# Altium PCB GE21_M1_pku_f100.PcbDoc (part 12 of 19)
Units mm, origin at the board's own origin, x right, y up, seen from the top; angles counter-clockwise.
Board outline 423.9 x 668.59 mm, 8 copper layers (Top Layer, Signal 1, DGNG1, POWER, AGND, DGND2, Signal 2, Bottom Layer), stack 1.03 mm thick; 171 components, 336 nets, 2040 pads, 4872 vias.
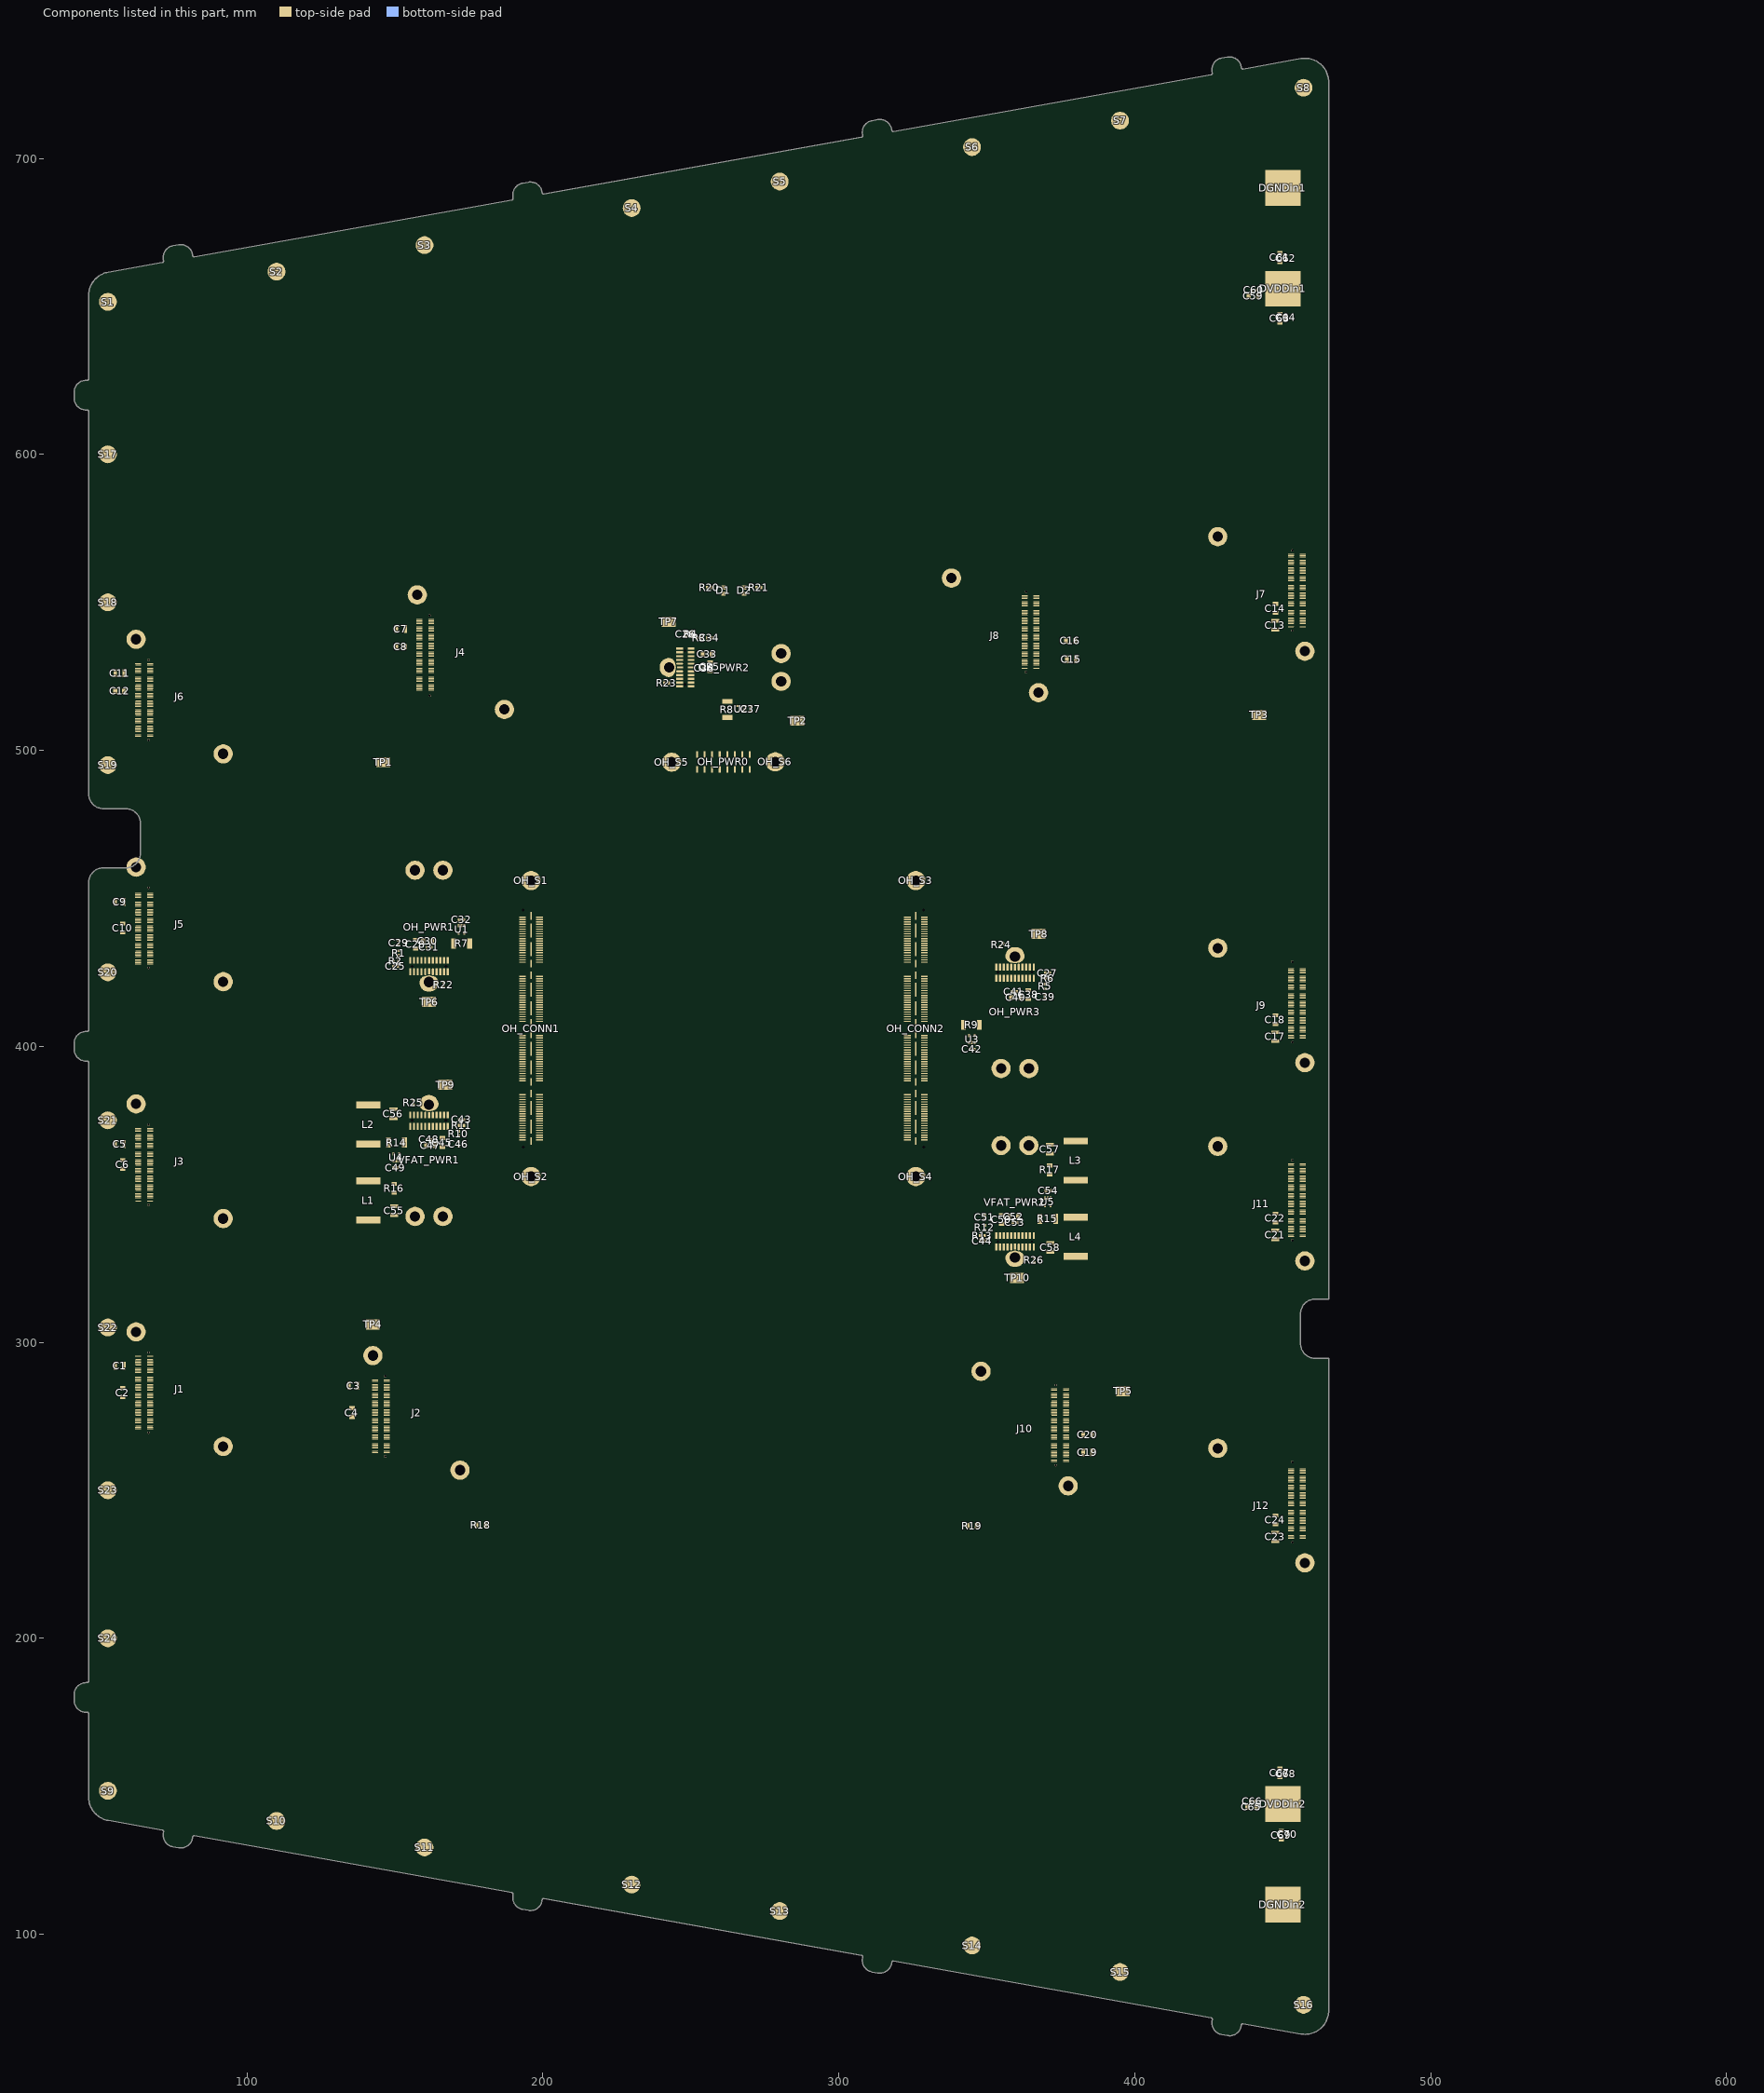
[diagram p18: the components of this part, seen from the top]

## Via types
v1: diameter 0.508, hole 0.203, Top Layer to Bottom Layer, tented both sides, 1688 vias
v2: diameter 0.402/0.402/0.402/0.201 (per signal layer), hole 0.201, Top Layer to Bottom Layer, tented both sides, 1040 vias
v3: diameter 0.507, hole 0.202, Top Layer to Bottom Layer, tented both sides, 780 vias
v4: diameter 0.4, hole 0, Top Layer to Bottom Layer, tented both sides, 438 vias
v5: diameter 0.4, hole 0.2, Top Layer to Bottom Layer, tented both sides, 288 vias
v6: diameter 0.51, hole 0.204, Top Layer to Bottom Layer, tented both sides, 288 vias
v7: diameter 0.6/0.4/0.4/0.4 (per signal layer), hole 0.3, Top Layer to Bottom Layer, tented both sides, 254 vias
v8: diameter 0.402, hole 0.201, Top Layer to Bottom Layer, tented both sides, 96 vias

## Nets (pads, with @x,y where several pads share a name; then routed paths per layer and width w, separated by ;. In a path a pad name is that pad's centre, name@x,y a point inside that pad or via, vN(x,y) a via of type N, cw(c..) or ccw(c..) an arc to the next point about the centre after c; other vN are vias at no path point) (continued)
copper on no net: (continued)
  Top Layer w0.025: 240.882,156.075 241.644,156.075 ; 240.882,160.977 241.162,160.977 ; 240.882,161.002 241.162,161.002 ; 240.882,161.028 241.162,161.028 ; 240.882,165.549 242.228,165.549 ; 240.882,169.613 241.644,169.613 ; 240.882,169.638 241.644,169.638 ; 240.882,171.924 241.873,171.924 ; 240.908,153.738 241.898,153.738 ; 240.908,156.024 241.67,156.024 ; 240.908,160.52 242.152,160.52 ; 240.908,160.901 241.162,160.901 ; 240.908,160.926 241.162,160.926 ; 240.908,160.951 241.162,160.951 ; 240.908,161.51 241.009,161.51 ; 240.908,163.949 241.847,163.949 ; 240.908,169.664 241.67,169.664 ; 240.908,171.95 241.898,171.95 ; 240.933,153.712 241.924,153.712 ; 240.933,155.998 241.695,155.998 ; 240.933,160.545 242.152,160.545 ; 240.933,160.824 241.187,160.824 ; 240.933,160.85 241.187,160.85 ; 240.933,160.875 241.162,160.875 ; 240.933,169.689 241.695,169.689 ; 240.933,171.975 241.924,171.975 ; 240.958,153.687 241.949,153.687 ; 240.958,155.948 241.746,155.948 ; 240.958,155.973 241.72,155.973 ; 240.958,158.437 241.365,158.437 ; 240.958,158.462 241.39,158.462 ; 240.958,158.488 241.39,158.488 ; 240.958,158.513 241.416,158.513 ; 240.958,158.538 241.416,158.538 ; 240.958,158.564 241.441,158.564 ; 240.958,158.589 241.517,158.589 ; 240.958,158.615 242.101,158.615 ; 240.958,158.64 242.101,158.64 ; 240.958,158.665 242.101,158.665 ; 240.958,160.57 242.127,160.57 ; 240.958,160.697 241.238,160.697 ; 240.958,160.723 241.212,160.723 ; 240.958,160.748 241.212,160.748 ; 240.958,160.774 241.187,160.774 ; 240.958,160.799 241.187,160.799 ; 240.958,163.974 241.822,163.974 ; 240.958,167.403 241.924,167.403 ; 240.958,167.428 241.924,167.428 ; 240.958,167.454 241.924,167.454 ; 240.958,167.479 241.949,167.479 ; 240.958,167.505 241.949,167.505 ; 240.958,167.53 241.974,167.53 ; 240.958,169.714 241.72,169.714 ; 240.958,169.74 241.746,169.74 ; 240.958,172 241.949,172 ; 240.984,153.662 241.974,153.662 ; 240.984,155.922 241.746,155.922 ; 240.984,158.335 241.339,158.335 ; 240.984,158.361 241.339,158.361 ; 240.984,158.386 241.339,158.386 ; 240.984,158.411 241.365,158.411 ; 240.984,158.691 242.076,158.691 ; 240.984,158.716 242.076,158.716 ; 240.984,158.742 242.051,158.742 ; 240.984,158.767 242.051,158.767 ; 240.984,160.596 242.127,160.596 ; 240.984,160.621 242.127,160.621 ; 240.984,160.647 242.127,160.647 ; 240.984,160.672 241.263,160.672 ; 240.984,161.536 241.009,161.536 ; 240.984,165.523 242.228,165.523 ; 240.984,167.378 241.924,167.378 ; 240.984,167.555 242.279,167.555 ; 240.984,167.581 242.355,167.581 ; 240.984,169.765 241.746,169.765 ; 240.984,172.026 241.974,172.026 ; 241.009,153.636 242,153.636 ; 241.009,155.897 241.771,155.897 ; 241.009,158.259 241.365,158.259 ; 241.009,158.284 241.339,158.284 ; 241.009,158.31 241.339,158.31 ; 241.009,158.792 242.025,158.792 ; 241.009,158.818 242,158.818 ; 241.009,163.999 241.822,163.999 ; 241.009,167.352 241.949,167.352 ; 241.009,167.606 243.117,167.606 ; 241.009,167.632 243.168,167.632 ; 241.009,169.791 241.771,169.791 ; 241.009,172.051 242,172.051 ; 241.035,153.611 242.051,153.611 ; 241.035,155.871 241.797,155.871 ; 241.035,158.208 241.39,158.208 ; 241.035,158.234 241.365,158.234 ; 241.035,158.843 242,158.843 ; 241.035,164.025 241.822,164.025 ; 241.035,165.498 242.203,165.498 ; 241.035,167.657 243.194,167.657 ; 241.035,169.816 241.797,169.816 ; 241.035,169.841 241.822,169.841 ; 241.035,172.077 242.025,172.077 ; 241.06,153.585 242.076,153.585 ; 241.06,155.821 241.847,155.821 ; 241.06,155.846 241.822,155.846 ; 241.06,158.157 241.416,158.157 ; 241.06,158.183 241.39,158.183 ; 241.06,158.869 241.974,158.869 ; 241.06,167.327 241.949,167.327 ; 241.06,167.682 243.219,167.682 ; 241.06,167.708 243.244,167.708 ; 241.06,169.867 241.847,169.867 ; 241.06,172.102 242.076,172.102 ; 241.085,153.56 242.101,153.56 ; 241.085,155.795 241.873,155.795 ; 241.085,158.107 241.466,158.107 ; 241.085,158.132 241.441,158.132 ; 241.085,158.894 241.974,158.894 ; 241.085,164.05 241.822,164.05 ; 241.085,167.301 241.974,167.301 ; 241.085,167.733 243.244,167.733 ; 241.085,169.892 241.873,169.892 ; 241.085,172.127 242.101,172.127 ; 241.111,153.535 242.127,153.535 ; 241.111,155.77 241.873,155.77 ; 241.111,158.056 241.492,158.056 ; 241.111,158.081 241.466,158.081 ; 241.111,158.919 241.949,158.919 ; 241.111,162.602 241.797,162.602 ; 241.111,165.473 242.203,165.473 ; 241.111,167.759 243.27,167.759 ; 241.111,169.918 241.873,169.918 ; 241.111,172.153 242.127,172.153 ; 241.136,153.509 242.152,153.509 ; 241.136,155.719 241.924,155.719 ; 241.136,155.744 241.898,155.744 ; 241.136,158.03 241.492,158.03 ; 241.136,158.945 241.924,158.945 ; 241.136,164.076 241.847,164.076 ; 241.136,167.276 242,167.276 ; 241.136,167.784 243.27,167.784 ; 241.136,169.943 241.898,169.943 ; 241.136,169.968 241.924,169.968 ; 241.136,172.178 242.152,172.178 ; 241.162,153.484 242.178,153.484 ; 241.162,155.694 241.949,155.694 ; 241.162,157.98 242.686,157.98 ; 241.162,158.005 242.736,158.005 ; 241.162,158.97 241.898,158.97 ; 241.162,164.101 241.847,164.101 ; 241.162,167.251 242.025,167.251 ; 241.162,167.809 243.27,167.809 ; 241.162,169.994 241.949,169.994 ; 241.162,172.204 242.178,172.204 ; 241.187,153.458 242.203,153.458 ; 241.187,155.668 241.974,155.668 ; 241.187,157.929 242.584,157.929 ; 241.187,157.954 242.635,157.954 ; 241.187,165.447 242.203,165.447 ; 241.187,167.835 243.295,167.835 ; 241.187,170.019 241.974,170.019 ; 241.187,172.229 242.203,172.229 ; 241.212,153.433 242.254,153.433 ; 241.212,155.643 242,155.643 ; 241.212,157.903 242.533,157.903 ; 241.212,158.996 241.847,158.996 ; 241.212,164.126 241.847,164.126 ; 241.212,167.225 242.076,167.225 ; 241.212,170.045 242,170.045 ; 241.212,172.254 242.254,172.254 ; 241.238,153.408 242.279,153.408 ; 241.238,155.592 242.051,155.592 ; 241.238,155.617 242.025,155.617 ; 241.238,157.853 242.432,157.853 ; 241.238,157.878 242.482,157.878 ; 241.238,164.152 241.847,164.152 ; 241.238,165.422 242.203,165.422 ; 241.238,167.2 242.127,167.2 ; 241.238,170.07 242.025,170.07 ; 241.238,170.095 242.051,170.095 ; 241.238,172.28 242.279,172.28 ; 241.263,153.382 242.305,153.382 ; 241.263,155.567 242.051,155.567 ; 241.263,157.827 242.381,157.827 ; 241.263,159.021 241.822,159.021 ; 241.263,167.86 243.295,167.86 ; 241.263,170.121 242.051,170.121 ; 241.263,172.305 242.305,172.305 ; 241.289,153.357 242.33,153.357 ; 241.289,155.541 242.076,155.541 ; 241.289,157.776 242.305,157.776 ; 241.289,157.802 242.33,157.802 ; 241.289,164.177 241.847,164.177 ; 241.289,167.174 242.178,167.174 ; 241.289,170.146 242.076,170.146 ; 241.289,172.331 242.33,172.331 ; 241.314,153.331 242.355,153.331 ; 241.314,155.516 242.101,155.516 ; 241.314,157.726 242.228,157.726 ; 241.314,157.751 242.254,157.751 ; 241.314,164.203 241.847,164.203 ; 241.314,165.396 242.178,165.396 ; 241.314,167.149 242.254,167.149 ; 241.314,170.172 242.101,170.172 ; 241.314,172.356 242.355,172.356 ; 241.339,155.49 242.127,155.49 ; 241.339,157.7 242.178,157.7 ; 241.339,159.046 241.771,159.046 ; 241.339,170.197 242.127,170.197 ; 241.365,153.306 242.381,153.306 ; 241.365,155.44 242.178,155.44 ; 241.365,155.465 242.152,155.465 ; 241.365,157.649 242.051,157.649 ; 241.365,157.675 242.101,157.675 ; 241.365,164.228 241.847,164.228 ; 241.365,167.124 242.305,167.124 ; 241.365,170.222 242.152,170.222 ; 241.365,170.248 242.178,170.248 ; 241.365,172.381 242.381,172.381 ; 241.39,153.281 242.432,153.281 ; 241.39,155.414 242.203,155.414 ; 241.39,157.599 241.974,157.599 ; 241.39,157.624 242.025,157.624 ; 241.39,164.253 241.847,164.253 ; 241.39,170.273 242.203,170.273 ; 241.39,172.407 242.432,172.407 ; 241.416,153.255 242.457,153.255 ; 241.416,155.389 242.228,155.389 ; 241.416,157.548 241.898,157.548 ; 241.416,157.573 241.949,157.573 ; 241.416,159.072 241.695,159.072 ; 241.416,167.098 242.355,167.098 ; 241.416,167.886 243.295,167.886 ; 241.416,170.299 242.228,170.299 ; 241.416,172.432 242.457,172.432 ; 241.441,153.23 242.482,153.23 ; 241.441,155.363 242.254,155.363 ; 241.441,157.497 241.771,157.497 ; 241.441,157.522 241.822,157.522 ; 241.441,164.279 241.873,164.279 ; 241.441,167.073 242.381,167.073 ; 241.441,170.324 242.254,170.324 ; 241.441,172.458 242.482,172.458 ; 241.466,153.204 242.533,153.204 ; 241.466,155.338 242.279,155.338 ; 241.466,157.421 241.619,157.421 ; 241.466,157.446 241.67,157.446 ; 241.466,157.472 241.72,157.472 ; 241.466,165.371 242.178,165.371 ; 241.466,170.349 242.279,170.349 ; 241.466,172.483 242.533,172.483 ; 241.492,153.179 242.559,153.179 ; 241.492,155.313 242.305,155.313 ; 241.492,164.304 241.873,164.304 ; 241.492,167.047 242.406,167.047 ; 241.492,170.375 242.305,170.375 ; 241.492,170.4 242.33,170.4 ; 241.492,172.508 242.559,172.508 ; 241.517,153.154 242.584,153.154 ; 241.517,155.262 242.355,155.262 ; 241.517,155.287 242.33,155.287 ; 241.517,164.33 241.873,164.33 ; 241.517,170.426 242.355,170.426 ; 241.517,172.534 242.584,172.534 ; 241.543,153.128 242.609,153.128 ; 241.543,155.236 242.381,155.236 ; 241.543,161.586 241.873,161.586 ; 241.543,161.612 241.873,161.612 ; 241.543,161.637 241.873,161.637 ; 241.543,161.663 241.873,161.663 ; 241.543,161.688 241.847,161.688 ; 241.543,161.713 241.847,161.713 ; 241.543,161.739 241.847,161.739 ; 241.543,165.346 242.178,165.346 ; 241.543,167.022 242.457,167.022 ; 241.543,170.451 242.381,170.451 ; 241.543,172.559 242.609,172.559 ; 241.568,153.103 242.66,153.103 ; 241.568,155.211 242.406,155.211 ; 241.568,161.536 241.898,161.536 ; 241.568,161.561 241.873,161.561 ; 241.568,161.764 241.847,161.764 ; 241.568,164.355 241.873,164.355 ; 241.568,170.476 242.406,170.476 ; 241.568,172.585 242.66,172.585 ; 241.593,155.186 242.432,155.186 ; 241.593,160.672 242.127,160.672 ; 241.593,161.459 241.949,161.459 ; 241.593,161.485 241.924,161.485 ; 241.593,161.51 241.898,161.51 ; 241.593,161.79 241.847,161.79 ; 241.593,166.997 242.482,166.997 ; 241.593,170.502 242.432,170.502 ; 241.619,153.077 242.686,153.077 ; 241.619,155.16 242.457,155.16 ; 241.619,158.589 242.127,158.589 ; 241.619,161.409 241.949,161.409 ; 241.619,161.434 241.949,161.434 ; 241.619,161.815 241.822,161.815 ; 241.619,164.38 241.873,164.38 ; 241.619,166.971 242.533,166.971 ; 241.619,168.546 242.533,168.546 ; 241.619,168.571 242.482,168.571 ; 241.619,168.597 242.457,168.597 ; 241.619,168.622 242.432,168.622 ; 241.619,168.648 242.381,168.648 ; 241.619,168.673 242.33,168.673 ; 241.619,170.527 242.457,170.527 ; 241.619,172.61 242.686,172.61 ; 241.644,153.052 242.711,153.052 ; 241.644,155.135 242.457,155.135 ; 241.644,161.155 241.974,161.155 ; 241.644,161.18 241.974,161.18 ; 241.644,161.307 241.949,161.307 ; 241.644,161.332 241.949,161.332 ; 241.644,161.358 241.949,161.358 ; 241.644,161.383 241.949,161.383 ; 241.644,165.32 242.152,165.32 ; 241.644,168.521 242.584,168.521 ; 241.644,168.698 242.279,168.698 ; 241.644,168.724 242.254,168.724 ; 241.644,170.553 242.457,170.553 ; 241.644,172.635 242.711,172.635 ; 241.67,153.027 242.736,153.027 ; 241.67,155.109 242.508,155.109 ; 241.67,158.03 242.762,158.03 ; 241.67,160.697 242.127,160.697 ; 241.67,161.104 242,161.104 ; 241.67,161.129 242,161.129 ; 241.67,161.205 241.974,161.205 ; 241.67,161.231 241.974,161.231 ; 241.67,161.256 241.974,161.256 ; 241.67,161.282 241.949,161.282 ; 241.67,164.406 241.873,164.406 ; 241.67,166.946 242.584,166.946 ; 241.67,168.749 242.203,168.749 ; 241.67,170.578 242.508,170.578 ; 241.67,172.661 242.736,172.661 ; 241.695,153.001 242.787,153.001 ; 241.695,155.084 242.533,155.084 ; 241.695,158.564 242.127,158.564 ; 241.695,160.723 242.101,160.723 ; 241.695,161.053 242,161.053 ; 241.695,161.078 242,161.078 ; 241.695,161.84 241.797,161.84 ; 241.695,162.577 241.771,162.577 ; 241.695,165.295 242.152,165.295 ; 241.695,168.495 242.609,168.495 ; 241.695,168.775 242.178,168.775 ; 241.695,170.603 242.533,170.603 ; 241.695,170.629 242.559,170.629 ; 241.695,172.686 242.787,172.686 ; 241.72,152.976 242.813,152.976 ; 241.72,155.033 242.584,155.033 ; 241.72,155.059 242.559,155.059 ; 241.72,158.056 242.787,158.056 ; 241.72,160.977 242.025,160.977 ; 241.72,161.002 242.025,161.002 ; 241.72,161.028 242.025,161.028 ; 241.72,164.431 241.898,164.431 ; 241.72,166.92 242.609,166.92 ; 241.72,168.8 242.127,168.8 ; 241.72,168.825 242.076,168.825 ; 241.72,170.654 242.584,170.654 ; 241.72,172.712 242.813,172.712 ; 241.746,152.95 242.838,152.95 ; 241.746,155.008 242.609,155.008 ; 241.746,158.081 242.838,158.081 ; 241.746,158.538 242.127,158.538 ; 241.746,160.748 242.101,160.748 ; 241.746,160.774 242.101,160.774 ; 241.746,160.901 242.051,160.901 ; 241.746,160.926 242.051,160.926 ; 241.746,160.951 242.051,160.951 ; 241.746,166.895 242.66,166.895 ; 241.746,168.47 242.66,168.47 ; 241.746,168.851 242.025,168.851 ; 241.746,168.876 242,168.876 ; 241.746,168.902 241.949,168.902 ; 241.746,170.68 242.609,170.68 ; 241.746,172.737 242.838,172.737 ; 241.771,152.925 242.889,152.925 ; 241.771,154.982 242.635,154.982 ; 241.771,160.799 242.101,160.799 ; 241.771,160.824 242.076,160.824 ; 241.771,160.85 242.076,160.85 ; 241.771,160.875 242.076,160.875 ; 241.771,165.269 242.127,165.269 ; 241.771,168.927 241.898,168.927 ; 241.771,170.705 242.635,170.705 ; 241.771,172.762 242.889,172.762 ; 241.797,154.957 242.66,154.957 ; 241.797,158.107 242.94,158.107 ; 241.797,158.513 242.152,158.513 ; 241.797,164.457 241.898,164.457 ; 241.797,166.87 242.686,166.87 ; 241.797,168.444 242.686,168.444 ; 241.797,168.952 241.847,168.952 ; 241.797,170.73 242.66,170.73 ; 241.822,152.9 242.914,152.9 ; 241.822,154.932 242.686,154.932 ; 241.822,158.488 242.152,158.488 ; 241.822,168.419 242.736,168.419 ; 241.822,170.756 242.686,170.756 ; 241.822,172.788 242.914,172.788 ; 241.847,152.874 242.94,152.874 ; 241.847,154.906 242.711,154.906 ; 241.847,158.132 242.99,158.132 ; 241.847,158.462 242.178,158.462 ; 241.847,164.482 241.898,164.482 ; 241.847,165.244 242.101,165.244 ; 241.847,166.844 242.711,166.844 ; 241.847,170.781 242.711,170.781 ; 241.847,172.813 242.965,172.813 ; 241.873,152.849 242.99,152.849 ; 241.873,154.881 242.736,154.881 ; 241.873,158.157 243.016,158.157 ; 241.873,158.437 242.203,158.437 ; 241.873,166.819 242.711,166.819 ; 241.873,168.394 242.762,168.394 ; 241.873,170.807 242.736,170.807 ; 241.873,172.839 242.99,172.839 ; 241.898,152.823 243.016,152.823 ; 241.898,154.855 242.762,154.855 ; 241.898,158.411 242.228,158.411 ; 241.898,170.832 242.762,170.832 ; 241.898,172.864 243.041,172.864 ; 241.924,152.798 243.067,152.798 ; 241.924,154.83 242.787,154.83 ; 241.924,158.183 243.041,158.183 ; 241.924,158.361 243.067,158.361 ; 241.924,158.386 242.254,158.386 ; 241.924,166.793 242.711,166.793 ; 241.924,168.368 242.813,168.368 ; 241.924,170.857 242.787,170.857 ; 241.924,172.889 243.067,172.889 ; 241.949,154.805 242.813,154.805 ; 241.949,158.208 243.067,158.208 ; 241.949,158.234 243.092,158.234 ; 241.949,158.259 243.117,158.259 ; 241.949,158.284 243.143,158.284 ; 241.949,158.31 243.117,158.31 ; 241.949,158.335 243.092,158.335 ; 241.949,166.768 242.686,166.768 ; 241.949,170.883 242.813,170.883 ; 241.974,152.773 243.092,152.773 ; 241.974,154.779 242.838,154.779 ; 241.974,168.343 242.863,168.343 ; 241.974,170.908 242.838,170.908 ; 241.974,172.915 243.092,172.915 ; 242,152.747 243.117,152.747 ; 242,154.754 242.863,154.754 ; 242,165.219 242.076,165.219 ; 242,166.743 242.66,166.743 ; 242,170.934 242.863,170.934 ; 242,172.94 243.143,172.94 ; 242.025,152.722 243.168,152.722 ; 242.025,154.728 242.889,154.728 ; 242.025,166.717 242.66,166.717 ; 242.025,168.317 242.889,168.317 ; 242.025,170.959 242.889,170.959 ; 242.025,172.966 243.168,172.966 ; 242.051,152.696 243.194,152.696 ; 242.051,154.703 242.94,154.703 ; 242.051,170.984 242.94,170.984 ; 242.051,172.991 243.219,172.991 ; 242.076,154.678 242.965,154.678 ; 242.076,166.692 242.635,166.692 ; 242.076,168.292 242.94,168.292 ; 242.076,171.01 242.965,171.01 ; 242.101,152.671 243.244,152.671 ; 242.101,154.652 242.99,154.652 ; 242.101,171.035 242.99,171.035 ; 242.101,173.016 243.244,173.016 ; 242.127,152.646 243.27,152.646 ; 242.127,154.627 243.016,154.627 ; 242.127,166.666 242.609,166.666 ; 242.127,168.267 242.965,168.267 ; 242.127,171.061 243.016,171.061 ; 242.127,173.042 243.295,173.042 ; 242.152,152.62 243.321,152.62 ; 242.152,154.601 243.041,154.601 ; 242.152,166.641 242.609,166.641 ; 242.152,171.086 243.041,171.086 ; 242.152,173.067 243.321,173.067 ; 242.178,154.576 243.067,154.576 ; 242.178,162.374 242.609,162.374 ; 242.178,162.399 242.609,162.399 ; 242.178,162.425 242.609,162.425 ; 242.178,162.45 242.609,162.45 ; 242.178,162.475 242.609,162.475 ; 242.178,162.501 242.609,162.501 ; 242.178,162.526 242.609,162.526 ; 242.178,162.552 242.609,162.552 ; 242.178,162.577 242.609,162.577 ; 242.178,162.602 242.609,162.602 ; 242.178,162.628 242.609,162.628 ; 242.178,162.653 242.609,162.653 ; 242.178,162.679 242.609,162.679 ; 242.178,162.704 242.609,162.704 ; 242.178,162.729 242.609,162.729 ; 242.178,162.755 242.609,162.755 ; 242.178,162.78 242.609,162.78 ; 242.178,162.806 242.609,162.806 ; 242.178,162.831 242.609,162.831 ; 242.178,162.856 242.609,162.856 ; 242.178,162.882 242.609,162.882 ; 242.178,162.907 242.609,162.907 ; 242.178,162.933 242.609,162.933 ; 242.178,162.958 242.609,162.958 ; 242.178,162.983 242.609,162.983 ; 242.178,163.009 242.609,163.009 ; 242.178,163.034 242.609,163.034 ; 242.178,163.06 242.609,163.06 ; 242.178,163.085 242.609,163.085 ; 242.178,163.11 242.609,163.11 ; 242.178,163.136 242.609,163.136 ; 242.178,163.161 242.609,163.161 ; 242.178,163.187 242.609,163.187 ; 242.178,163.212 242.609,163.212 ; 242.178,163.237 242.609,163.237 ; 242.178,163.263 242.609,163.263 ; 242.178,163.288 242.609,163.288 ; 242.178,163.314 242.609,163.314 ; 242.178,167.911 243.346,167.911 ; 242.178,168.241 243.016,168.241 ; 242.178,171.111 243.067,171.111 ; 242.178,173.093 243.371,173.093 ; 242.203,152.595 243.346,152.595 ; 242.203,154.551 243.092,154.551 ; 242.203,162.044 242.635,162.044 ; 242.203,162.069 242.635,162.069 ; 242.203,162.094 242.635,162.094 ; 242.203,162.12 242.635,162.12 ; 242.203,162.145 242.635,162.145 ; 242.203,162.171 242.635,162.171 ; 242.203,162.196 242.635,162.196 ; 242.203,162.221 242.635,162.221 ; 242.203,162.247 242.609,162.247 ; 242.203,162.272 242.609,162.272 ; 242.203,162.298 242.609,162.298 ; 242.203,162.323 242.609,162.323 ; 242.203,162.348 242.609,162.348 ; 242.203,163.339 242.609,163.339 ; 242.203,163.364 242.609,163.364 ; 242.203,163.39 242.609,163.39 ; 242.203,163.415 242.609,163.415 ; 242.203,163.441 242.609,163.441 ; 242.203,163.466 242.635,163.466 ; 242.203,163.491 242.635,163.491 ; 242.203,163.517 242.635,163.517 ; 242.203,163.542 242.635,163.542 ; 242.203,163.568 242.635,163.568 ; 242.203,163.593 242.635,163.593 ; 242.203,163.618 242.635,163.618 ; 242.203,163.644 242.635,163.644 ; 242.203,166.616 242.584,166.616 ; 242.203,168.216 243.067,168.216 ; 242.203,171.137 243.117,171.137 ; 242.228,152.569 243.397,152.569 ; 242.228,154.525 243.143,154.525 ; 242.228,161.815 242.66,161.815 ; 242.228,161.84 242.66,161.84 ; 242.228,161.866 242.66,161.866 ; 242.228,161.891 242.66,161.891 ; 242.228,161.917 242.66,161.917 ; 242.228,161.942 242.66,161.942 ; 242.228,161.967 242.66,161.967 ; 242.228,161.993 242.635,161.993 ; 242.228,162.018 242.635,162.018 ; 242.228,163.669 242.635,163.669 ; 242.228,163.695 242.635,163.695 ; 242.228,163.72 242.66,163.72 ; 242.228,163.745 242.66,163.745 ; 242.228,163.771 242.66,163.771 ; 242.228,163.796 242.66,163.796 ; 242.228,163.822 242.66,163.822 ; 242.228,163.847 242.66,163.847 ; 242.228,163.872 242.66,163.872 ; 242.228,168.19 243.092,168.19 ; 242.228,171.162 243.143,171.162 ; 242.228,173.118 243.397,173.118 ; 242.254,152.544 243.422,152.544 ; 242.254,154.5 243.168,154.5 ; 242.254,161.637 242.686,161.637 ; 242.254,161.663 242.686,161.663 ; 242.254,161.688 242.686,161.688 ; 242.254,161.713 242.686,161.713 ; 242.254,161.739 242.686,161.739 ; 242.254,161.764 242.686,161.764 ; 242.254,161.79 242.66,161.79 ; 242.254,163.898 242.66,163.898 ; 242.254,163.923 242.686,163.923 ; 242.254,163.949 242.686,163.949 ; 242.254,163.974 242.686,163.974 ; 242.254,163.999 242.686,163.999 ; 242.254,164.025 242.686,164.025 ; 242.254,164.05 242.686,164.05 ; 242.254,166.59 242.559,166.59 